# KiCad board processed.kicad_pcb
title: BMS slave Prototype; rev: 1
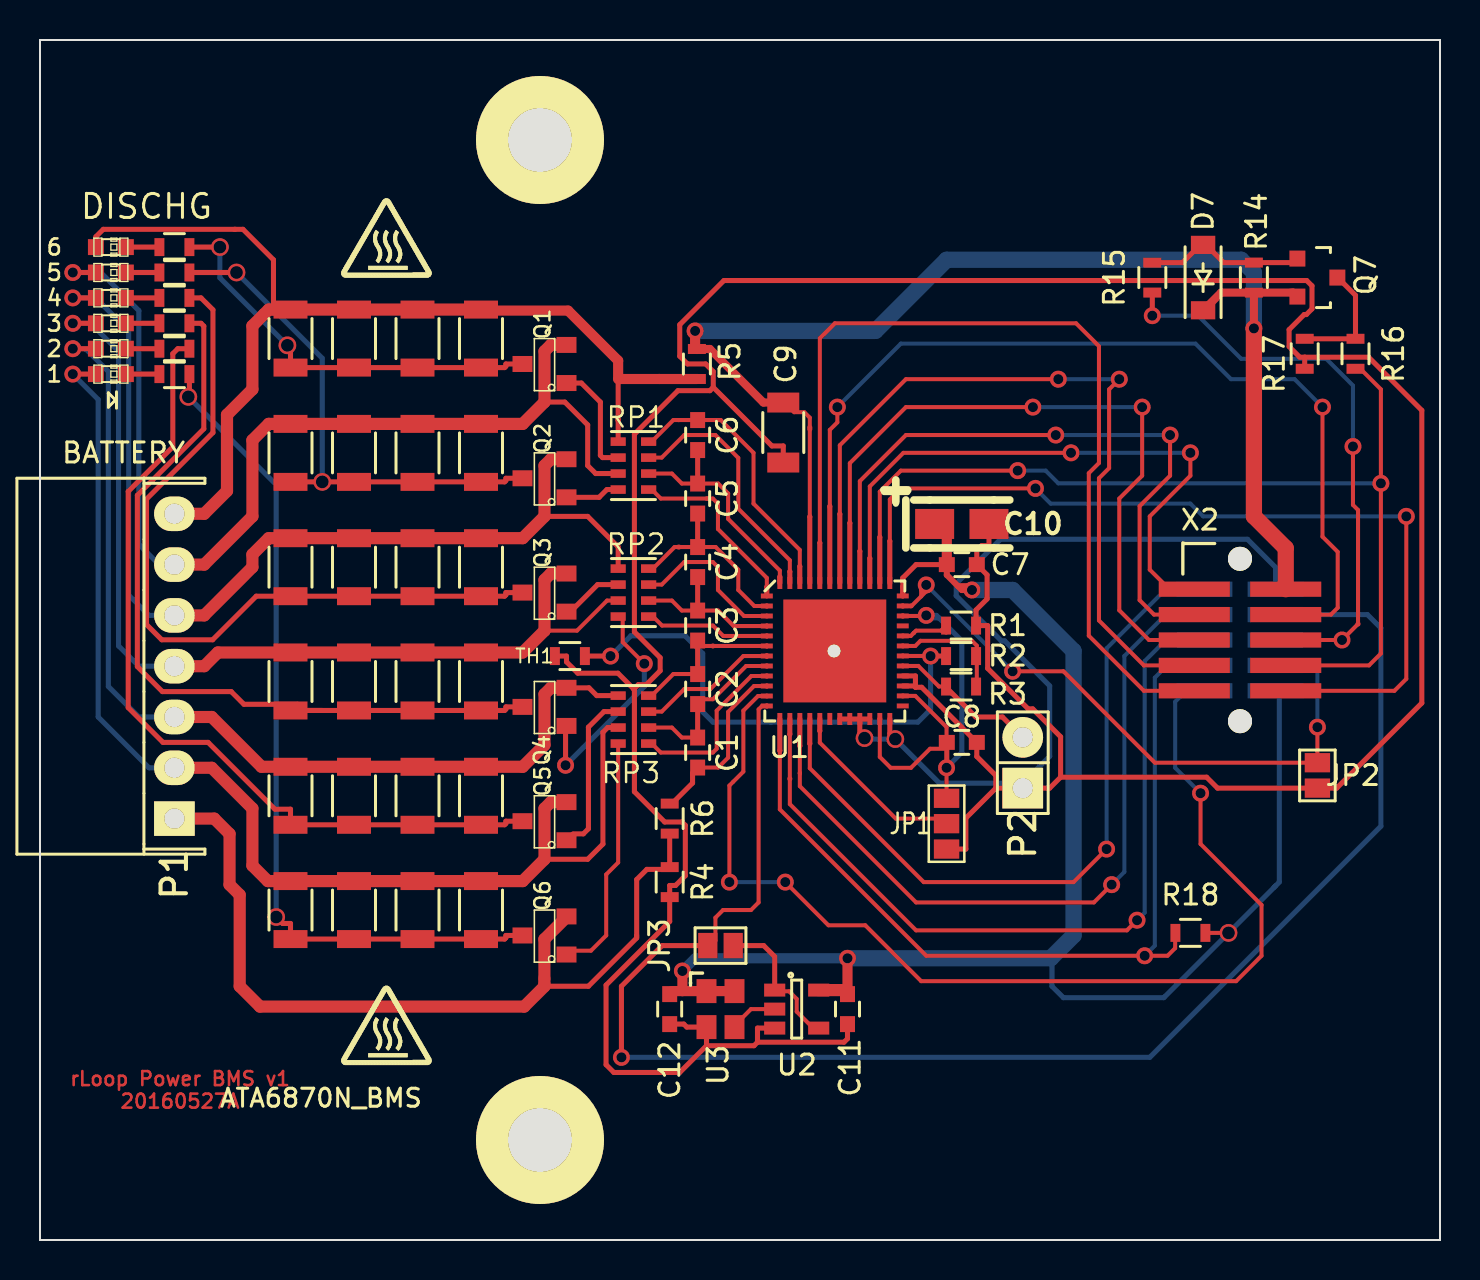
[diagram p0: board, top side]
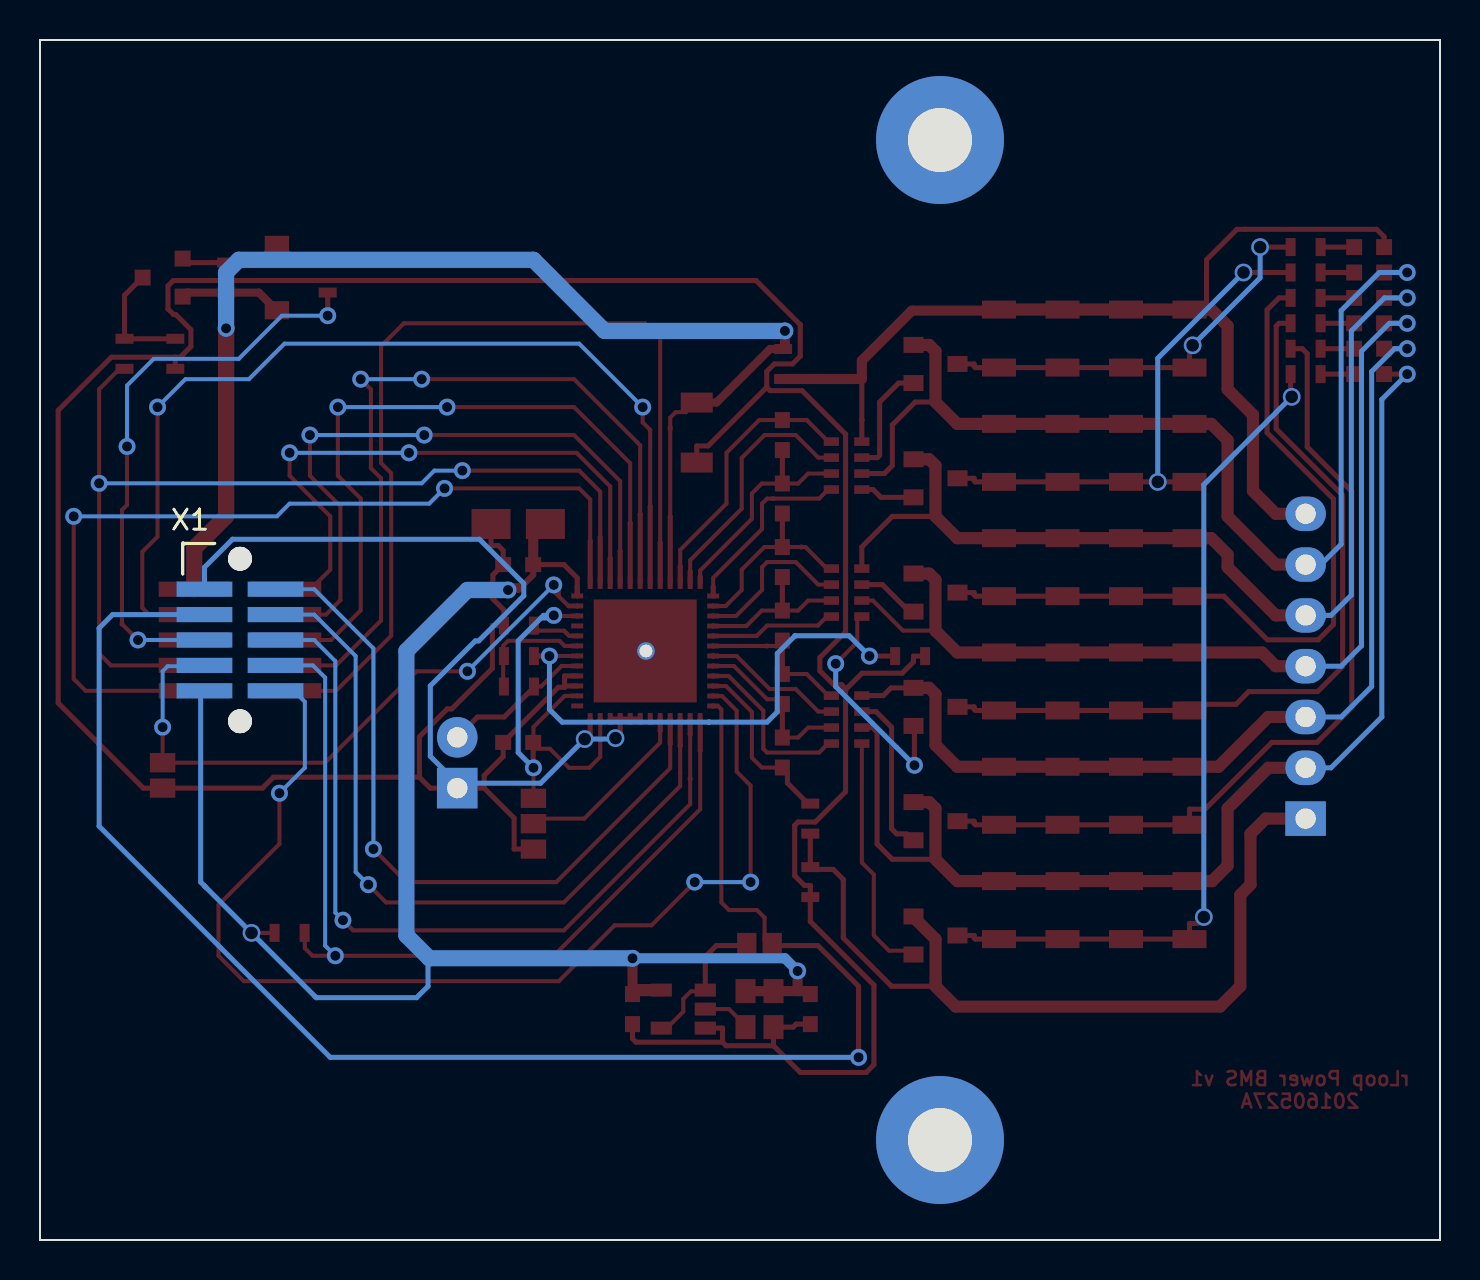
[diagram p1: board, bottom side, seen from below]

Outline 70 x 60 mm; copper layers: Top, Bottom. Coordinates in mm from the lower left corner of the outline.
Outline path: 0,60 0,0 70,0 70,60 0,60

## Placement (name value [footprint] x y rotation side)
28 mil Id via  via  [35-Od-28mil-Id-via]  39.7 29.45 0 top
C1  100nF  [C_0603]  32.88 24.37 270 top
C2  100nF  [C_0603]  32.88 27.55 270 top
C3  100nF  [C_0603]  32.88 30.72 270 top
C4  100nF  [C_0603]  32.88 33.9 270 top
C5  100nF  [C_0603]  32.88 37.07 270 top
C6  100nF  [C_0603]  32.88 40.25 270 top
C7  100nF  [C_0603]  46.09 33.77 0 top
C8  100nF  [C_0603]  46.09 24.88 0 top
C9  10uF PolC  [C_1206]  37.16 40.37 270 top
C10  33uF  [TantalC_SizeA_EIA-3216_Reflow]  46.09 35.8 0 top
C11  100nF  [C_0603]  40.38 11.54 90 top
C12  100nF  [C_0603]  31.49 11.54 270 top
D1  LED  [LED-0603]  3.54 49.64 0 top
D2  LED  [LED-0603]  3.54 48.38 0 top
D3  LED  [LED-0603]  3.54 47.11 0 top
D4  LED  [LED-0603]  3.54 45.83 0 top
D5  LED  [LED-0603]  3.54 44.56 0 top
D6  LED  [LED-0603]  3.54 43.3 0 top
D7  8V Zener  [SOD-123]  58.16 48.12 90 top
danger_hot_small  -  [danger_hot_small]  14.97 12.81 0 top
danger_hot_small_2  -  [danger_hot_small]  14.97 52.19 0 top
JP1  JUMPER3  [GS3]  45.33 20.82 0 top
JP2  Jumper_NC_Small  [GS2]  63.87 23.23 0 top
JP3  Jumper_NC_Small  [GS2]  34.03 14.72 270 top
MH  MountingHole_2-5mm_RevA_Date21Jun2010  [SCREWPAD-M3]  25 55 0 top
MH_2  MountingHole_2-5mm_RevA_Date21Jun2010  [SCREWPAD-M3]  25 5 0 top
P1  CONN_01X07  [Shrouded_Header_Angled_1x07]  6.72 28.69 90 top
P2  EXT-TMP  [Pin_Header_Straight_1x02]  49.14 23.86 90 top
P5  CONN_01X01  [1Pin]  39.7 29.45 0 bottom
Q1  BSS138  [SOT-23]  25.22 43.8 90 top
Q2  BSS138  [SOT-23]  25.22 38.09 90 top
Q3  BSS138  [SOT-23]  25.22 32.37 90 top
Q4  BSS138  [SOT-23]  25.22 26.66 90 top
Q5  BSS138  [SOT-23]  25.22 20.94 90 top
Q6  BSS138  [SOT-23]  25.22 15.23 90 top
Q7  Q_PMOS  [SOT-23#2]  63.87 48.12 270 top
R1  121KΩ  [R_0603]  46.05 30.72 180 top
R2  10KΩ  [R_0603]  46.05 29.2 180 top
R3  10KΩ  [R_0603]  46.05 27.67 180 top
R4  10Ω  [R_0603]  31.49 17.9 90 top
R5  10Ω  [R_0603]  32.84 43.8 270 top
R6  1K  [R_0603]  31.49 21.07 270 top
R7  100Ω  [R_0603]  6.72 43.3 180 top
R8  100Ω  [R_0603]  6.72 44.56 180 top
R9  100Ω  [R_0603]  6.72 45.83 180 top
R10  100Ω  [R_0603]  6.72 47.11 180 top
R11  100Ω  [R_0603]  6.72 48.38 180 top
R12  100Ω  [R_0603]  6.72 49.64 180 top
R13  82.5Ω  [R_1206]  12.53 27.93 270 top
R14  10KΩ  [R_0603]  60.69 48.12 90 top
R15  10KΩ  [R_0603]  55.62 48.12 90 top
R16  150Ω  [R_0603]  65.78 44.31 270 top
R17  10KΩ  [R_0603]  63.24 44.31 90 top
R18  10K  [R_0603]  57.52 15.35 0 top
R20  82.5Ω  [R_1206]  15.7 45.07 270 top
R21  82.5Ω  [R_1206]  12.53 45.07 270 top
R22  82.5Ω  [R_1206]  22.05 45.07 270 top
R23  82.5Ω  [R_1206]  18.88 45.07 270 top
R24  82.5Ω  [R_1206]  12.53 39.36 270 top
R25  82.5Ω  [R_1206]  15.7 39.36 270 top
R26  82.5Ω  [R_1206]  18.88 39.36 270 top
R27  82.5Ω  [R_1206]  22.05 39.36 270 top
R28  82.5Ω  [R_1206]  18.88 33.64 270 top
R29  82.5Ω  [R_1206]  22.05 33.64 270 top
R30  82.5Ω  [R_1206]  15.7 33.64 270 top
R31  82.5Ω  [R_1206]  12.53 33.64 270 top
R32  82.5Ω  [R_1206]  22.05 27.93 270 top
R33  82.5Ω  [R_1206]  18.88 27.93 270 top
R34  82.5Ω  [R_1206]  15.7 27.93 270 top
R35  82.5Ω  [R_1206]  22.05 22.21 270 top
R36  82.5Ω  [R_1206]  12.53 22.21 270 top
R37  82.5Ω  [R_1206]  15.7 22.21 270 top
R38  82.5Ω  [R_1206]  18.88 22.21 270 top
R39  82.5Ω  [R_1206]  18.88 16.5 270 top
R40  82.5Ω  [R_1206]  22.05 16.5 270 top
R41  82.5Ω  [R_1206]  15.7 16.5 270 top
R42  82.5Ω  [R_1206]  12.53 16.5 270 top
RP1  1K_PACK  [R_Cat16-4]  29.67 38.72 180 top
RP2  1K_PACK  [R_Cat16-4]  29.67 32.37 180 top
RP3  1K_PACK  [R_Cat16-4]  29.67 26.02 180 top
TH1  THERMISTOR  [R_0603]  26.5 29.2 180 top
U1  ATA6870N_BMS  [QFN-48-1EP-refined]  39.74 29.45 0 top
U2  D_Flip_Flop_w_Inv_Out  [SOT-23-5]  37.84 11.54 0 top
U3  1MHz Oscillator  [Oscillator_SMD_4_pin_2.5x2mm]  34.03 11.54 270 top
X1  AMPMODU-02X05  [AMPMODU-FEMALE-02X05-0.05in-MECHHOLES]  60 30 180 bottom
X2  AMPMODU-02X05  [AMPMODU-02X05-0.05in-NOHOLES]  60 30 0 top

## Footprints (pads in the part's own frame, mm; a bottom-side part is the same pattern mirrored in y, then rotated)
35-Od-28mil-Id-via
  round 0.889 hole 0.635: 1(0,0)
AMPMODU-02X05-0.05in-NOHOLES
  rect 3.556x0.762 smd: 1(-2.286,2.54) 2(2.286,2.54) 3(-2.286,1.27) 4(2.286,1.27) 5(-2.286,0) 6(2.286,0) 7(-2.286,-1.27) 8(2.286,-1.27) 9(-2.286,-2.54) 10(2.286,-2.54)
AMPMODU-FEMALE-02X05-0.05in-MECHHOLES
  round 1.2 hole 1.2 unplated: (0,-4.06) (0,4.06)
  rect 2.794x0.762 smd: 1(-1.778,2.54) 2(1.778,2.54) 3(-1.778,1.27) 4(1.778,1.27) 5(-1.778,0) 6(1.778,0) 7(-1.778,-1.27) 8(1.778,-1.27) 9(-1.778,-2.54) 10(1.778,-2.54)
C_0603
  rect 0.8x0.75 smd: 1(-0.75,0) 2(0.75,0)
C_1206
  rect 1x1.6 smd: 1(-1.5,0) 2(1.5,0)
GS2
  rect 1.27x0.965 smd: 1(0,0.635) 2(0,-0.635)
GS3
  rect 1.27x0.965 smd: 1(0,1.27) 2(0,0) 3(0,-1.27)
LED-0603
  rect 0.798x0.798 smd: 1(-0.749,0) 2(0.749,0)
Oscillator_SMD_4_pin_2.5x2mm
  rect 1.2x1 smd: 1(-0.9,-0.7) 2(0.9,-0.7) 3(0.9,0.7) 4(-0.9,0.7)
Pin_Header_Straight_1x02
  rect 2.032x2.032 hole 1.016: 1(-1.27,0)
  oval 2.032x2.032 hole 1.016: 2(1.27,0)
QFN-48-1EP-refined
  rect 1.7x1.7 smd: (-1.27,1.27) (-1.27,-1.27) (1.27,1.27) (1.27,-1.27)
  rect 0.599x0.249 smd: 1(-3.399,2.748) 2(-3.399,2.248) 3(-3.399,1.748) 4(-3.399,1.247) 5(-3.399,0.749) 6(-3.399,0.249) 7(-3.399,-0.251) 8(-3.399,-0.752) 9(-3.399,-1.252) 10(-3.399,-1.753) 11(-3.399,-2.253) 12(-3.399,-2.751) 25(3.399,-2.748) 26(3.401,-2.248) 27(3.401,-1.75) 28(3.401,-1.25) 29(3.401,-0.749) 30(3.401,-0.249) 31(3.401,0.251) 32(3.401,0.752) 33(3.399,1.252) 34(3.399,1.75) 35(3.399,2.25) 36(3.399,2.751)
  rect 0.249x0.599 smd: 13(-2.748,-3.401) 14(-2.248,-3.401) 15(-1.748,-3.401) 16(-1.25,-3.401) 17(-0.749,-3.401) 18(-0.25,-3.4) 19(0.249,-3.401) 20(0.749,-3.401) 21(1.25,-3.401) 22(1.75,-3.401) 23(2.25,-3.401) 24(2.751,-3.401) 37(2.751,3.399) 38(2.25,3.399) 39(1.75,3.399) 40(1.252,3.399) 41(0.752,3.399) 42(0.251,3.399) 43(-0.249,3.399) 44(-0.749,3.399) 45(-1.25,3.399) 46(-1.75,3.399) 47(-2.248,3.399) 48(-2.748,3.399)
  rect 5.15x5.15 smd: 49(0,0)
R_0603
  rect 0.5x0.9 smd: 1(-0.75,0) 2(0.75,0)
R_1206
  rect 0.9x1.7 smd: 1(-1.45,0) 2(1.45,0)
R_Cat16-4
  rect 0.762x0.432 smd: 1(0.762,-1.199) 2(0.762,-0.399) 3(0.762,0.399) 4(0.762,1.199) 5(-0.762,1.199) 6(-0.762,0.399) 7(-0.762,-0.399) 8(-0.762,-1.199)
SCREWPAD-M3
  round 6.4 hole 3.2: 1(0,0)
Shrouded_Header_Angled_1x07
  rect 1.727x2.032 hole 1.016: 1(-7.62,0)
  oval 1.727x2.032 hole 1.016: 2(-5.08,0) 3(-2.54,0) 4(0,0) 5(2.54,0) 6(5.08,0) 7(7.62,0)
SOD-123
  rect 0.91x1.22 smd: 1(-1.635,0) 2(1.635,0)
SOT-23
  rect 0.8x1.001 smd: 1(-0.953,-1.1) 2(0.953,-1.1) 3(0,1.1)
SOT-23#2
  rect 0.8x0.8 smd: 1(-0.95,-1.001) 2(0.95,-1.001) 3(0,0.998)
SOT-23-5
  rect 1.06x0.65 smd: 1(-1.1,0.95) 2(-1.1,0) 3(-1.1,-0.95) 4(1.1,-0.95) 5(1.1,0.95)
TantalC_SizeA_EIA-3216_Reflow
  rect 1.951x1.501 smd: 1(-1.359,0) 2(1.359,0)

## Nets
+3.3V: C7.1 C10.1 C11.2 C12.1 R18.2 U1.36 U2.5 U3.1 U3.4 X1.9
GND: C7.2 C8.2 C9.2 C10.2 C11.1 C12.2 JP1.3 JP2.2 P2.1 R1.1 R4.1 R17.1 TH1.2 U1.19 U1.20 U1.21 U1.22 U1.24 U1.27 U1.28 U2.3 U3.2 X1.1
VDD: C8.1 JP1.1 U1.23 U1.26 U1.34
VDD-HIGHER: U1.37 X2.10
+BATT: C9.1 D7.1 Q7.2 R5.1 R14.1 U1.45 X2.2
/DISCH1: RP3.5 U1.9
/DISCH2: RP3.7 U1.7
/DISCH3: RP2.5 U1.5
/DISCH4: RP2.7 U1.3
/DISCH5: RP1.5 U1.1
/DISCH6: RP1.7 U1.47
CLK: JP3.2 U1.12 X1.3
CLK-HIGHER: U1.43 X2.4
CS-HIGHER: U1.42 X2.7
CS-LOWER: R18.1 U1.13 X1.8
IRQ-HIGHER: U1.44 X2.9
IRQ-LOWER: U1.11 X1.10
MISO-HIGHER: U1.39 X2.1
MISO-LOWER: U1.16 X1.2
MOSI-HIGHER: U1.40 X2.3
MOSI-LOWER: U1.15 X1.4
PD-HIGHER: R16.2 U1.38 X2.8
PD-LOWER: JP2.1 U1.35 X1.7
PD-MASTER: R15.1 X1.5 X2.6
SCK-HIGHER: U1.41 X2.5
SCK-LOWER: U1.14 X1.6
ThermalGnd: 28 mil Id via.1
Net-(C1-Pad1): C1.1 C2.2 RP3.6 U1.8
Net-(C1-Pad2): C1.2 R6.1 U1.10
Net-(C2-Pad1): C2.1 C3.2 RP3.8 U1.6
Net-(C3-Pad1): C3.1 C4.2 RP2.6 U1.4
Net-(C4-Pad1): C4.1 C5.2 RP2.8 U1.2
Net-(C5-Pad1): C5.1 C6.2 RP1.6 U1.48
Net-(C6-Pad1): C6.1 RP1.8 U1.46
Net-(D1-Pad1): D1.1 P1.7 R5.2 R20.1 R21.1 R22.1 R23.1 RP1.1
Net-(D1-Pad2): D1.2 R12.2
Net-(D2-Pad1): D2.1 P1.6 Q1.2 R24.1 R25.1 R26.1 R27.1 RP1.3
Net-(D2-Pad2): D2.2 R11.2
Net-(D3-Pad1): D3.1 P1.5 Q2.2 R28.1 R29.1 R30.1 R31.1 RP2.1
Net-(D3-Pad2): D3.2 R10.2
Net-(D4-Pad1): D4.1 P1.4 Q3.2 R13.1 R32.1 R33.1 R34.1 RP2.3
Net-(D4-Pad2): D4.2 R9.2
Net-(D5-Pad1): D5.1 P1.3 Q4.2 R35.1 R36.1 R37.1 R38.1 RP3.1
Net-(D5-Pad2): D5.2 R8.2
Net-(D6-Pad1): D6.1 P1.2 Q5.2 R39.1 R40.1 R41.1 R42.1 RP3.3
Net-(D6-Pad2): D6.2 R7.2
Net-(D7-Pad2): D7.2 Q7.1 R14.2 R15.2
Net-(JP1-Pad2): JP1.2 U1.17
Net-(JP3-Pad1): JP3.1 U2.1 U2.4
Net-(P1-Pad1): P1.1 Q6.2 R4.2 R6.2
Net-(P2-Pad2): P2.2 R3.2 U1.29
Net-(Q1-Pad1): Q1.1 RP1.2
Net-(Q1-Pad3): Q1.3 R12.1 R20.2 R21.2 R22.2 R23.2
Net-(Q2-Pad1): Q2.1 RP1.4
Net-(Q2-Pad3): Q2.3 R11.1 R24.2 R25.2 R26.2 R27.2
Net-(Q3-Pad1): Q3.1 RP2.2
Net-(Q3-Pad3): Q3.3 R10.1 R28.2 R29.2 R30.2 R31.2
Net-(Q4-Pad1): Q4.1 RP2.4
Net-(Q4-Pad3): Q4.3 R9.1 R13.2 R32.2 R33.2 R34.2
Net-(Q5-Pad1): Q5.1 RP3.2
Net-(Q5-Pad3): Q5.3 R8.1 R35.2 R36.2 R37.2 R38.2
Net-(Q6-Pad1): Q6.1 RP3.4
Net-(Q6-Pad3): Q6.3 R7.1 R39.2 R40.2 R41.2 R42.2
Net-(Q7-Pad3): Q7.3 R16.1 R17.2
Net-(R1-Pad2): R1.2 U1.32
Net-(R2-Pad1): R2.1 R3.1 U1.31
Net-(R2-Pad2): R2.2 TH1.1 U1.30
Net-(U2-Pad2): U2.2 U3.3

Pads without a net: MH 1; MH_2 1; U1 18 25 33 49

## Via types
v1: diameter 0.85, hole 0.5, Top to Bottom, 44 vias
v2: diameter 0.889, hole 0.635, Top to Bottom, 9 vias

## Routing (per net, layer and track width the routed paths; a pad name or vN(x,y) marks a point on that pad's centre or on a via; arc(x,y) is an arc through that point)
+3.3V: length 84.3
  Top w0.203: R18.2 v2(59.43,15.35)
  Top w0.254: 44.84,35.74 44.79,35.74 C10.1 ; 43.14,32.2 43.14,32.65 ; 43.14,32.65 43.14,32.65 U1.36 ; 43.14,32.65 43.14,33.11 43.8,33.77 C7.1
  Top w0.305: 45.9,32.69 45.34,33.25 C7.1 ; 45.9,32.69 46.53,32.69 46.6,32.63 v1(46.6,32.5) 46.09,32.5 45.9,32.69
  Top w0.508: 33.32,12.44 33.26,12.43 33.27,12.44 33.32,12.44 ; 33.32,12.44 U3.4 ; 33.32,12.44 32.12,12.44 ; 32.12,12.44 v1(32.12,13.45) ; 32.12,12.44 31.62,12.44 31.49,12.31 C12.1 31.49,12.18 ; C7.1 45.34,35.28 44.95,35.67 C10.1 ; C11.2 v1(40.38,14.09)
  Top w0.61: C11.2 40.38,12.31 40.19,12.5 38.94,12.5
  Bottom w0.254: 50.53,14.09 50.6,14.09 50.6,12.69 51.17,12.12 56.19,12.12 v2(59.43,15.35) 61.71,17.64 ; 61.78,17.71 61.97,17.9 61.97,27.23 61.84,27.36 X1.9 ; 61.78,17.71 61.71,17.64 ; 61.78,17.71 61.71,17.64
  Bottom w0.508: v1(40.38,14.09) 32.75,14.09 v1(32.12,13.45)
  Bottom w0.813: v1(40.38,14.09) 50.53,14.09 51.68,15.23 51.68,29.45 48.63,32.5 v1(46.6,32.5)
GND: length 229.8
  Top w0.254: U2.3 35.87,10.59 35.87,9.89 ; C11.1 40.38,10.06 40.2,9.89 35.87,9.89 ; U1.22 U1.21 ; U1.21 40.99,25.33 v2(41.23,25.09) ; U1.21 U1.20 U1.19 ; 29.69,27.54 29.72,27.52 29.72,22.41 31.23,20.9 32.1,20.9 32.27,20.73 32.27,18.22 31.78,17.73 31.49,17.73 R4.1 31.49,15.93 28.3,12.74 28.3,8.77 28.69,8.38 31.99,8.38 33.32,9.71 ; 29.69,27.54 28.9,28.34 26.89,28.34 26.33,28.91 26.33,29.2 TH1.2 ; 29.69,27.54 29.69,27.55 29.91,27.77 30.31,27.77 31.01,28.46 31.01,29.12 29.72,30.4 29.72,40.29 31.9,42.47 33.49,42.47 33.66,42.63 ; U1.24 42.49,25.32 v2(42.77,25.05) ; 35.87,9.89 35.7,9.71 33.32,9.71 ; 43.77,27.7 43.77,27.64 43.78,27.64 44.08,27.64 C8.2 46.84,24.17 47.79,23.22 47.79,22.59 ; 43.77,27.7 U1.27 ; 43.77,27.7 43.77,28.2 U1.28 ; 51.03,23.14 50.48,22.59 P2.1 47.79,22.59 ; 51.03,23.14 58.33,23.14 58.88,22.59 JP2.2 64.84,22.59 69.09,26.85 69.09,41.48 66.43,44.14 63.24,44.14 ; 51.03,23.14 51.03,25.16 49.64,26.56 49.41,26.56 47.38,28.58 47.38,30.72 R1.1 46.8,31.5 47.35,32.05 47.35,33.26 C7.2 46.84,34.48 47.09,34.72 47.45,34.72 C10.2 ; 33.66,42.63 36.6,39.7 37.16,39.7 C9.2 ; 33.66,42.63 33.66,43.42 33.28,43.8 32.37,43.8 31.99,44.19 31.99,45.76 34.2,47.97 63.34,47.97 63.6,47.71 63.6,46.56 63.32,46.27 63.21,46.27 62.45,45.52 62.45,44.67 62.99,44.14 63.24,44.14 ; 63.24,44.14 R17.1 ; C12.2 32.19,10.79 32.34,10.65 33.32,10.65 33.32,9.71 ; 47.79,22.59 46.29,21.1 46.29,19.55 JP1.3
  Bottom w0.254: 49.14,22.84 44.97,22.84 v2(42.77,25.05) 41.27,25.05 v2(41.23,25.09) ; 49.14,22.84 50.48,24.19 50.48,27.71 48.24,29.95 48.07,29.95 45.81,32.21 45.81,32.82 48.03,35.04 60.37,35.04 61.78,33.63 X1.1 ; 49.14,22.84 P2.1
VDD: length 23.4
  Top w0.203: v1(45.33,23.61) JP1.1 ; 43.14,27.2 U1.26 43.77,27.2 45.33,25.64 45.33,24.89 C8.1 45.33,24.82 45.33,24.56 44.5,24.56 43.55,23.61 42.53,23.61 41.99,24.15 U1.23 41.99,26.05 ; 43.14,31.2 44.28,31.2 v1(44.31,31.23)
  Top w0.254: v1(45.33,23.61) 45.34,23.62 C8.1 ; U1.34 43.14,31.2
  Bottom w0.254: 44.95,31.1 44.82,31.23 v1(44.31,31.23) 44.44,31.1 44.95,31.1 ; 44.95,31.1 46.09,29.96 46.09,24.37 v1(45.33,23.61)
VDD-HIGHER: length 47.3
  Top w0.203: v1(68.31,36.18) 68.31,28.06 67.72,27.46 X2.10 ; 42.49,32.85 42.49,37.03 43.04,37.58 v1(49.77,37.58)
  Top w0.254: U1.37 42.49,34.94 42.49,34.94
  Bottom w0.203: v1(68.31,36.18) 58.16,36.18 57.52,36.82 50.53,36.82 v1(49.77,37.58)
+BATT: length 72.7
  Top w0.203: C9.1 37.2,41.77 37.33,41.77 37.71,41.39 38.22,41.39 38.49,41.12 38.49,40.63 ; 38.49,32.85 38.49,40.55
  Top w0.254: 62.87,47.17 62.86,47.17 ; 38.49,36.16 U1.45 ; 38.49,40.63 38.49,40.55
  Top w0.406: 62.87,47.17 62.85,47.17 62.65,47.37 R14.1 ; R5.1 33.49,44.55 36.17,41.87 C9.1 ; R14.1 59.06,47.37 58.22,46.53 D7.1 ; R14.1 v1(60.69,45.58)
  Top w0.508: R5.1 32.84,44.6 32.75,44.69 v1(32.75,45.45)
  Top w0.813: X2.2 62.29,34.59 60.69,36.18 v1(60.69,45.58)
  Bottom w0.813: v1(32.75,45.45) 41.77,45.45 45.33,49.01 60.06,49.01 60.69,48.38 v1(60.69,45.58)
/DISCH1: length 8.8
  Top w0.203: RP3.5 30.47,24.82 30.6,24.82 31.04,24.37 33.64,24.37 33.83,24.56 33.83,26.47 35.57,28.2 36.34,28.2
  Top w0.254: 30.45,24.82 30.44,24.82 RP3.5 ; 36.34,28.2 U1.9
/DISCH2: length 7.1
  Top w0.203: 36.34,29.2 36.34,29.2 35.17,29.2 33.52,27.55 32.21,27.55 31.09,26.42 RP3.7
  Top w0.254: U1.7 36.34,29.2
/DISCH3: length 6.3
  Top w0.203: 36.34,30.2 34.16,30.2 33.64,30.72 31.1,30.72 30.66,31.17 30.47,31.17 RP2.5
  Top w0.254: 30.45,31.17 30.44,31.17 RP2.5 ; 36.34,30.2 U1.5
/DISCH4: length 8.2
  Top w0.203: 36.34,31.2 35.2,31.2 33.9,32.5 33.9,33.64 33.64,33.9 32.21,33.9 31.09,32.77 RP2.7
  Top w0.254: 36.34,31.2 U1.3
/DISCH5: length 9.9
  Top w0.203: 36.34,32.2 36.34,33.11 33.9,35.55 33.9,36.82 33.64,37.07 33.39,37.07 ; 33.39,37.07 33.33,37.07 ; 33.39,37.07 33.33,37.07 ; RP1.5 30.47,37.52 30.6,37.52 31.04,37.07 33.33,37.07
  Top w0.254: 30.45,37.52 30.44,37.52 RP1.5 ; U1.1 36.34,32.65 36.34,32.65
/DISCH6: length 13.3
  Top w0.203: RP1.7 31.09,39.12 32.21,40.25 33.77,40.25 34.91,39.1 34.91,36.56 37.49,33.99 37.49,32.85
  Top w0.254: 37.49,33.42 U1.47
CLK: length 81.1
  Top w0.203: 36.34,26.7 36.1,26.7 35.93,26.53 35.93,16.88 35.55,16.5 34.15,16.5 33.77,16.12 33.77,14.97 JP3.2
  Top w0.254: v1(29.07,9.13) 29.07,12.69 31.1,14.72 JP3.2 ; 36.34,26.7 U1.12
  Bottom w0.254: X1.3 66.37,31.27 67.04,30.59 67.04,20.69 55.49,9.13 v1(29.07,9.13)
CLK-HIGHER: length 52.8
  Top w0.203: v1(39.87,41.64) 39.87,40.88 39.49,40.51 39.49,32.85 ; v1(64.12,41.64) 64.12,35.17 64.89,34.41 64.89,31.61 64.54,31.27 X2.4
  Top w0.254: 39.49,36.68 U1.43
  Bottom w0.203: v1(39.87,41.64) 43.04,44.82 57.77,44.82 59.55,43.04 62.73,43.04 v1(64.12,41.64)
CS-HIGHER: length 43.9
  Top w0.203: 39.99,32.85 39.99,39.74 43.3,43.04 v1(50.92,43.04) ; v1(53.96,43.04) 53.46,42.53 53.46,38.6 52.95,38.09 52.95,30.98 55.19,28.73 X2.7
  Top w0.254: 39.99,36.29 39.99,36.29 U1.42
  Bottom w0.203: v1(53.96,43.04) v1(50.92,43.04)
CS-LOWER: length 46.7
  Top w0.203: 36.99,26.05 36.99,21.53 44.31,14.21 v1(55.23,14.21) 56.38,14.21 56.76,14.59 56.76,15.35 R18.1
  Top w0.254: 36.99,24.47 U1.13
  Bottom w0.203: v1(55.23,14.21) 55.74,14.72 55.74,28.12 56.35,28.73 X1.8
IRQ-HIGHER: length 50.1
  Top w0.203: X2.9 55.19,27.46 52.44,30.21 52.44,38.34 52.95,38.85 52.95,44.69 51.81,45.83 39.74,45.83 38.99,45.09 38.99,32.85
  Top w0.254: 38.99,34.85 38.99,34.85 U1.44
IRQ-LOWER: length 55.7
  Top w0.203: v1(58.03,22.34) 58.03,19.8 61.08,16.75 61.08,14.21 59.81,12.94 44.06,12.94 41.26,15.74 39.42,15.74 v1(37.26,17.9) ; 36.34,27.2 35.9,27.2 35.17,26.47 35.17,23.42 34.66,22.91 34.47,22.72 v1(34.47,17.9)
  Top w0.254: 36.34,27.2 U1.11
  Bottom w0.203: v1(34.47,17.9) v1(37.26,17.9) ; v1(58.03,22.34) 56.76,23.61 56.76,26.91 57.31,27.46 X1.10
MISO-HIGHER: length 32.1
  Top w0.203: v1(51.55,39.36) 43.17,39.36 41.49,37.68 41.49,32.85 ; v1(57.52,39.36) 57.52,38.22 55.49,36.18 55.49,33.52 56.46,32.54 X2.1
  Top w0.254: 41.49,34.08 U1.39
  Bottom w0.203: v1(51.55,39.36) v1(57.52,39.36)
MISO-LOWER: length 37.7
  Top w0.203: 38.49,26.05 38.49,23.59 44.19,17.9 51.68,17.9 v1(53.33,19.55)
  Top w0.254: 38.49,24.82 U1.16
  Bottom w0.203: v1(53.33,19.55) 53.33,29.58 56.29,32.54 X1.2
MOSI-HIGHER: length 35.1
  Top w0.203: v1(56.5,40.25) 56.5,38.22 54.98,36.69 54.98,31.99 55.7,31.27 X2.3 ; 40.99,32.85 40.99,37.94 43.3,40.25 v1(50.79,40.25)
  Top w0.254: 40.99,34.44 U1.40
  Bottom w0.203: v1(56.5,40.25) v1(50.79,40.25)
MOSI-LOWER: length 39.7
  Top w0.203: 37.99,23.36 37.99,23.33 ; 37.99,23.36 37.99,26.05 ; 37.99,23.36 37.99,23.33 ; 37.99,23.33 37.99,22.69 43.8,16.88 52.69,16.88 v1(53.58,17.77)
  Top w0.254: 37.99,24.7 U1.15
  Bottom w0.203: X1.4 56.29,31.27 54.22,29.2 54.22,18.4 v1(53.58,17.77)
PD-HIGHER: length 52.6
  Top w0.203: R16.2 65.78,43.55 66.03,43.55 67.04,42.53 v1(67.04,37.83) 67.04,29.32 66.45,28.73 X2.8 ; 41.99,32.85 41.99,37.42 43.04,38.47 v1(48.88,38.47)
  Top w0.254: 41.99,35.13 U1.38
  Bottom w0.203: v1(48.88,38.47) 50.28,38.47 50.92,37.83 66.92,37.83 ; 66.92,37.83 v1(67.04,37.83) 66.92,37.83
PD-LOWER: length 32.7
  Top w0.203: 43.55,31.7 43.58,31.7 44.06,32.18 ; 44.31,32.5 v1(44.31,32.75) ; 44.31,32.5 v1(44.31,32.75) ; 44.31,32.5 44.31,32.44 44.06,32.18 ; v1(44.31,32.75) 44.06,32.5 44.06,32.18 ; v1(48.63,28.44) 51.17,28.44 55.74,23.86 JP2.1 v1(63.87,25.64) ; 43.51,31.7 43.14,31.7
  Top w0.254: 43.14,31.7 U1.35 ; 43.55,31.7 43.51,31.7
  Bottom w0.203: v1(63.87,25.64) 63.87,28.44 63.62,28.69 62.09,28.69 X1.7 ; v1(44.31,32.75) v1(48.63,28.44)
PD-MASTER: length 31.9
  Top w0.203: X2.6 v1(65.1,30) 65.9,30.8 ; 55.62,47.36 R15.1 ; 65.9,30.8 65.9,36.5 65.65,36.75 v1(65.65,39.68)
  Top w0.254: 55.62,47.36 v1(55.62,46.22) ; 65.9,30.8 65.9,30.8
  Bottom w0.203: v1(65.1,30) X1.5 ; v1(65.65,39.68) 65.65,42.72 64.31,44.06 60.06,44.06 57.9,46.22 v1(55.62,46.22)
SCK-HIGHER: length 39.8
  Top w0.203: 40.49,32.85 40.49,38.84 43.3,41.64 v1(49.65,41.64) ; X2.5 55.45,30 53.96,31.48 53.96,37.07 55.11,38.22 v1(55.11,41.64)
  Top w0.254: 40.49,35.85 U1.41
  Bottom w0.203: v1(55.11,41.64) v1(49.65,41.64)
SCK-LOWER: length 41.7
  Top w0.203: 37.49,23.06 37.49,26.05 ; 37.49,23.06 37.49,21.79 43.8,15.48 54.34,15.48 v1(54.85,15.99)
  Top w0.254: 37.49,23.06 37.49,23.06 ; 37.49,25.29 U1.14
  Bottom w0.203: X1.6 56.29,30 55.23,28.94 55.23,16.37 v1(54.85,15.99)
Net-(C1-Pad1): length 8.6
  Top w0.203: RP3.6 31.59,25.62 32.09,25.12 C1.1 ; C2.2 32.89,26.8 33.14,27.04 33.64,27.04 35.31,28.7 36.34,28.7
  Top w0.254: 36.34,28.7 U1.8 ; C1.1 C2.2
Net-(C1-Pad2): length 9
  Top w0.203: 36.34,27.7 35.7,27.7 34.41,26.4 34.41,24.12 33.91,23.62 C1.2 32.63,23.36 ; R6.1 31.6,21.82
  Top w0.254: 32.63,23.36 32.63,22.85 31.6,21.82 ; 32.84,23.59 C1.2 ; 36.34,27.7 U1.10
Net-(C2-Pad1): length 8.2
  Top w0.203: 36.34,29.7 33.65,29.7 ; 33.64,29.7 33.08,29.7 32.88,29.9 C3.2 ; C2.1 31.66,28.3 30.6,27.23 30.53,27.23
  Top w0.254: C2.1 C3.2 ; 36.34,29.7 U1.6 ; 30.53,27.23 30.44,27.23 RP3.8 ; 33.64,29.7 33.65,29.7
Net-(C3-Pad1): length 8.1
  Top w0.203: RP2.6 31.59,31.97 32.09,31.47 C3.1 33.91,31.47 34.68,30.7 36.34,30.7
  Top w0.254: C3.1 C4.2 ; 36.34,30.7 U1.4
Net-(C4-Pad1): length 9.9
  Top w0.203: RP2.8 30.47,33.58 30.66,33.58 31.73,34.65 31.93,34.65 ; 36.34,31.7 35.71,31.7 34.91,32.5 34.91,33.52 33.78,34.65 C4.1 31.95,34.65
  Top w0.254: C4.1 C5.2 ; 36.34,31.7 U1.2 ; 30.45,33.58 30.44,33.58 RP2.8 ; 31.93,34.65 31.95,34.65
Net-(C5-Pad1): length 11.9
  Top w0.203: 36.99,32.85 36.99,33.47 34.41,36.06 34.41,37.33 33.91,37.82 C5.1 32.09,37.82 31.59,38.32 RP1.6
  Top w0.254: 36.99,33.16 U1.48 ; C5.1 C6.2
Net-(C6-Pad1): length 14.8
  Top w0.203: RP1.8 30.6,39.93 31.66,41 31.93,41 ; 31.93,41 31.95,41 ; 31.93,41 31.95,41 ; 31.95,41 C6.1 34.04,41 35.68,39.36 35.68,36.82 37.99,34.5 37.99,32.85
  Top w0.254: RP1.8 30.44,39.92 30.51,39.92 ; 37.99,33.68 U1.46
Net-(D1-Pad1): length 53.2
  Top w0.203: 28.92,39.93 RP1.1
  Top w0.254: 11.67,46.52 11.67,49.01 10.15,50.53 3.16,50.53 2.8,50.17 2.8,49.91 ; 2.8,49.91 D1.1 2.8,49.91 ; 28.91,41.01 28.91,40.98 ; 28.91,41.01 28.91,43.05 28.91,43.05 ; 28.91,41.01 28.91,40.98 ; 28.91,40.98 RP1.1 ; 21.96,46.47 R22.1 ; 30.98,43.05 30.95,43.05
  Top w0.508: 21.96,46.47 26.41,46.47 28.91,43.97 28.91,43.05 ; R5.2 28.91,43.05
  Top w0.61: 12.07,46.52 11.44,46.52 11.19,46.28 10.62,45.71 10.62,42.53 9.35,41.26 9.35,37.45 8.21,36.31 P1.7 ; 12.07,46.52 R21.1 ; 12.07,46.52 R21.1 ; R22.1 R23.1 R20.1 R21.1
Net-(D1-Pad2): length 1.7
  Top w0.254: D1.2 R12.2
Net-(D2-Pad1): length 53.4
  Top w0.254: Q1.2 26.32,44.75 ; RP1.3 27.78,38.32 27.38,38.72 27.38,40.75 26.24,41.9 25.22,41.9 ; D2.1 v1(1.64,48.38)
  Top w0.61: P1.6 8.21,33.77 10.62,36.18 10.62,39.99 11.44,40.81 R24.1 R25.1 R26.1 R27.1 24.13,40.81 25.22,41.9 25.22,44.44 25.54,44.75 26.32,44.75
  Bottom w0.254: P1.6 5.96,33.77 4.94,34.79 4.94,46.47 3.04,48.38 v1(1.64,48.38)
Net-(D2-Pad2): length 1.7
  Top w0.254: D2.2 R11.2
Net-(D3-Pad1): length 50.6
  Top w0.254: v1(1.64,47.11) D3.1 ; RP2.1 28.91,34.66 27.38,36.18 25.22,36.18
  Top w0.61: P1.5 8.21,31.23 10.62,33.64 10.62,34.28 11.44,35.09 R31.1 R30.1 R28.1 R29.1 24.13,35.09 25.22,36.18 25.22,38.72 25.54,39.04 Q2.2
  Bottom w0.254: P1.5 5.45,31.23 4.43,32.25 4.43,45.45 2.78,47.11 v1(1.64,47.11)
Net-(D3-Pad2): length 1.7
  Top w0.254: D3.2 R10.2
Net-(D4-Pad1): length 49.4
  Top w0.203: RP2.3 28.35,31.97 26.85,30.47 25.22,30.47
  Top w0.254: v1(1.64,45.83) D4.1
  Top w0.61: P1.4 8.21,28.69 8.9,29.38 R13.1 ; R13.1 R34.1 R33.1 R32.1 24.13,29.38 25.22,30.47 25.22,33.01 25.54,33.32 Q3.2 ; R13.1 12.47,29.32
  Bottom w0.254: P1.4 4.94,28.69 3.93,29.71 3.93,44.44 2.53,45.83 v1(1.64,45.83)
Net-(D4-Pad2): length 1.7
  Top w0.254: D4.2 R9.2
Net-(D5-Pad1): length 49.7
  Top w0.254: Q4.2 27.45,27.61 27.84,27.22 28.79,27.22 ; 28.79,27.22 RP3.1 28.79,27.22 ; D5.1 v1(1.64,44.56)
  Top w0.61: P1.3 8.59,26.15 11.07,23.66 R36.1 R37.1 R38.1 R35.1 24.13,23.66 25.22,24.75 25.22,27.29 25.54,27.61 Q4.2
  Bottom w0.254: v1(1.64,44.56) 2.28,44.56 3.42,43.42 3.42,27.67 4.94,26.15 P1.3
Net-(D5-Pad2): length 1.7
  Top w0.254: D5.2 R8.2
Net-(D6-Pad1): length 60.1
  Top w0.254: 25.22,19.04 27.38,19.04 28.15,19.8 28.15,25.39 28.38,25.62 RP3.3 ; Q5.2 26.32,21.89 ; v1(1.64,43.3) D6.1
  Top w0.61: 26.32,21.89 25.54,21.89 25.22,21.58 25.22,19.04 24.13,17.95 R40.1 R39.1 R41.1 R42.1 11.39,17.95 10.62,18.72 10.62,21.58 8.59,23.61 P1.2
  Bottom w0.254: P1.2 5.45,23.61 2.91,26.15 2.91,42.03 v1(1.64,43.3)
Net-(D6-Pad2): length 1.7
  Top w0.254: D6.2 R7.2
Net-(D7-Pad2): length 8.1
  Top w0.203: 62.87,49.07 62.85,49.14 62.59,48.87 ; 58.41,49.64 D7.2 57.9,49.64
  Top w0.254: 58.41,49.64 59.18,48.87 R14.2 62.59,48.87 ; 62.86,49.1 62.87,49.1 Q7.1 ; R15.2 57.13,48.87 57.9,49.64
Net-(JP1-Pad2): length 10.4
  Top w0.203: 44.82,21.07 42.79,21.07 38.99,24.87 38.99,26.05 ; 44.82,21.07 JP1.2 45.07,21.07 44.82,21.07
  Top w0.254: 38.99,25.46 38.99,25.46 U1.17
Net-(JP3-Pad1): length 7.3
  Top w0.203: U2.4 38.66,10.59 37.84,11.42 37.84,12.05 37.45,12.43 36.82,12.43 36.74,12.5 ; 34.91,14.72 JP3.1
  Top w0.254: 34.91,14.72 36.18,14.72 36.74,14.17 36.74,12.5
Net-(P1-Pad1): length 43.6
  Top w0.203: R6.2 31.61,20.31 31.49,20.18
  Top w0.254: 25.26,12.81 25.26,13.07 25.22,13.07 ; 25.26,12.81 25.22,12.81 ; 25.26,12.81 25.26,12.75 25.33,12.69 27.42,12.69 29.83,15.1 29.83,18.02 30.34,18.53 31.36,18.53 R4.2 31.49,20.18 ; 26.32,16.16 26.32,16.16 Q6.2
  Top w0.61: P1.1 8.71,21.07 9.48,20.31 9.48,17.77 9.99,17.26 9.99,12.69 11,11.67 24.21,11.67 25.22,12.68 25.22,15.04 26.32,16.14 Q6.2
Net-(P2-Pad2): length 7.5
  Top w0.203: 43.14,28.7 43.92,28.7 44.95,27.67 45.34,27.67
  Top w0.254: P2.2 48.12,26.15 46.79,26.15 45.3,27.63 R3.2 45.3,27.67 ; 43.14,28.7 U1.29
Net-(Q1-Pad1): length 5.7
  Top w0.254: Q1.1 27.07,42.85 28.02,41.9 28.02,39.23 28.13,39.12 RP1.2
Net-(Q1-Pad3): length 20.8
  Top w0.254: R12.1 v2(9,49.64) ; v2(12.37,44.73) 12.53,44.58 R21.2 R20.2 R23.2 R22.2 23.23,43.62 23.29,43.69 23.29,43.8 Q1.3
  Bottom w0.254: v2(12.37,44.73) 9,48.11 v2(9,49.64)
Net-(Q2-Pad1): length 2.7
  Top w0.254: Q2.1 26.32,37.13 27.96,37.13 28.34,37.52 RP1.4
Net-(Q2-Pad3): length 26.3
  Top w0.254: v2(9.82,48.38) R11.1 ; R24.2 v2(14.11,37.91) R25.2 R26.2 R27.2 23.23,37.91 23.29,37.97 23.29,38.09 Q2.3
  Bottom w0.254: v2(9.82,48.38) 14.11,44.09 v2(14.11,37.91)
Net-(Q3-Pad1): length 3.2
  Top w0.203: 26.53,31.42 26.34,31.42 Q3.1
  Top w0.254: 28.89,32.77 RP2.2 28.89,32.77 ; 28.89,32.77 27.88,32.77 26.53,31.42
Net-(Q3-Pad3): length 38.7
  Top w0.254: Q3.3 23.29,32.37 23.29,32.26 23.23,32.19 R29.2 R28.2 R30.2 R31.2 10.81,32.19 8.63,30.01 6.09,30.01 5.32,30.77 5.32,37.05 8.65,40.37 8.65,46.51 8.05,47.11 R10.1
Net-(Q4-Pad1): length 11.7
  Top w0.203: v1(30.22,28.82) 29.14,29.9 29.14,31.04 29,31.17 RP2.4 ; 26.28,25.71 Q4.1
  Top w0.254: v1(26.28,23.74) 26.28,25.71
  Bottom w0.254: v1(26.28,23.74) 27.17,24.63 28.37,25.83 29.96,27.42 30.22,27.67 v1(30.22,28.82)
Net-(Q4-Pad3): length 41.1
  Top w0.254: R9.1 8.05,45.83 8.19,45.7 8.19,40.56 4.87,37.24 4.87,28.67 6.12,27.42 9.56,27.42 10.2,26.79 12.88,26.79 13.19,26.48 14.11,26.48 ; 14.11,26.48 R34.2 R33.2 R32.2 23.23,26.48 23.29,26.54 23.29,26.66 Q4.3 ; 14.11,26.48 R13.2
Net-(Q5-Pad1): length 8.4
  Top w0.203: 26.66,20.31 26.28,19.93 Q5.1
  Top w0.254: 26.66,20.31 27.17,20.31 27.42,20.56 27.42,25.64 28.2,26.42 RP3.2
Net-(Q5-Pad3): length 42.3
  Top w0.254: R8.1 6.89,44.56 6.64,44.32 6.64,39.66 4.41,37.43 4.41,26.62 6.15,24.88 8.41,24.88 11.74,21.54 12.53,21.54 12.53,20.76 23.23,20.76 23.29,20.83 23.29,20.94 Q5.3
Net-(Q6-Pad1): length 12.4
  Top w0.203: 26.32,14.27 26.28,14.21 26.53,14.47 27.55,14.47 28.31,15.23 28.31,18.28 28.91,18.87 RP3.4
  Top w0.254: Q6.1 26.32,14.27
Net-(Q6-Pad3): length 42.4
  Top w0.254: v2(11.81,16.15) 12.13,15.83 12.53,15.83 R42.2 R41.2 R39.2 R40.2 23.23,15.05 23.29,15.11 23.29,15.23 Q6.3 ; v2(7.42,42.16) 7.42,42.46 7.47,42.51 R7.1
  Bottom w0.254: v2(7.42,42.16) 11.81,37.76 v2(11.81,16.15)
Net-(Q7-Pad3): length 6.1
  Top w0.203: 63.5,45.06 63.36,45.2 R17.2 ; 65.78,45.07 R16.1 ; Q7.3 64.89,48.12
  Top w0.254: R16.1 63.5,45.06 ; 65.78,45.07 65.78,47.23 64.89,48.12
Net-(R1-Pad2): length 2.8
  Top w0.203: 43.68,30.34 43.54,30.2 U1.32 43.14,30.2 ; 43.68,30.34 43.7,30.37 ; 43.68,30.34 43.7,30.37 ; 45.3,30.37 R1.2 45.05,30.47 43.8,30.47 43.7,30.37
Net-(R2-Pad1): length 6
  Top w0.203: 46.84,27.67 46.84,29.72 46.6,29.96 44.02,29.96 43.77,29.7 U1.31 43.14,29.7
  Top w0.254: R2.1 46.84,29.2 ; 46.84,27.67 46.84,27.67 R3.1
Net-(R2-Pad2): length 27.2
  Top w0.203: 45.34,29.2 45.34,29.2 U1.30 43.14,29.2
  Top w0.254: TH1.1 v1(28.53,29.2) ; 45.34,29.2 45.33,29.2 R2.2 v1(44.53,29.2)
  Bottom w0.254: 36.56,25.89 36.53,25.89 ; 36.56,25.89 36.53,25.89 ; 36.56,25.89 43.89,25.89 44.53,26.53 v1(44.53,29.2) ; 36.53,25.89 33.65,25.89 33.14,26.4 33.14,29.32 32.25,30.21 32.25,30.21 29.54,30.21 v1(28.53,29.2)
Net-(U2-Pad2): length 2.4
  Top w0.203: U3.3 34.79,10.78 35.55,11.54 U2.2

## Text on the board
Top: rLoop Power BMS v1 / 20160527A
F.SilkS: 6 | 5 | 4 | 3 | 2 | 1 | BATTERY | DISCHG
